# Altium PCB Mother_board_SSL2018.PcbDoc (part 1 of 2)
Units mm, origin at the board's own origin, x right, y up, seen from the top; angles counter-clockwise.
Board outline 169 x 150.57 mm, 2 copper layers (Top Layer, Bottom Layer), stack 1.57 mm thick; 100 components, 103 nets, 445 pads, 331 vias.
Unrouted connection lines stored in the file: 4.
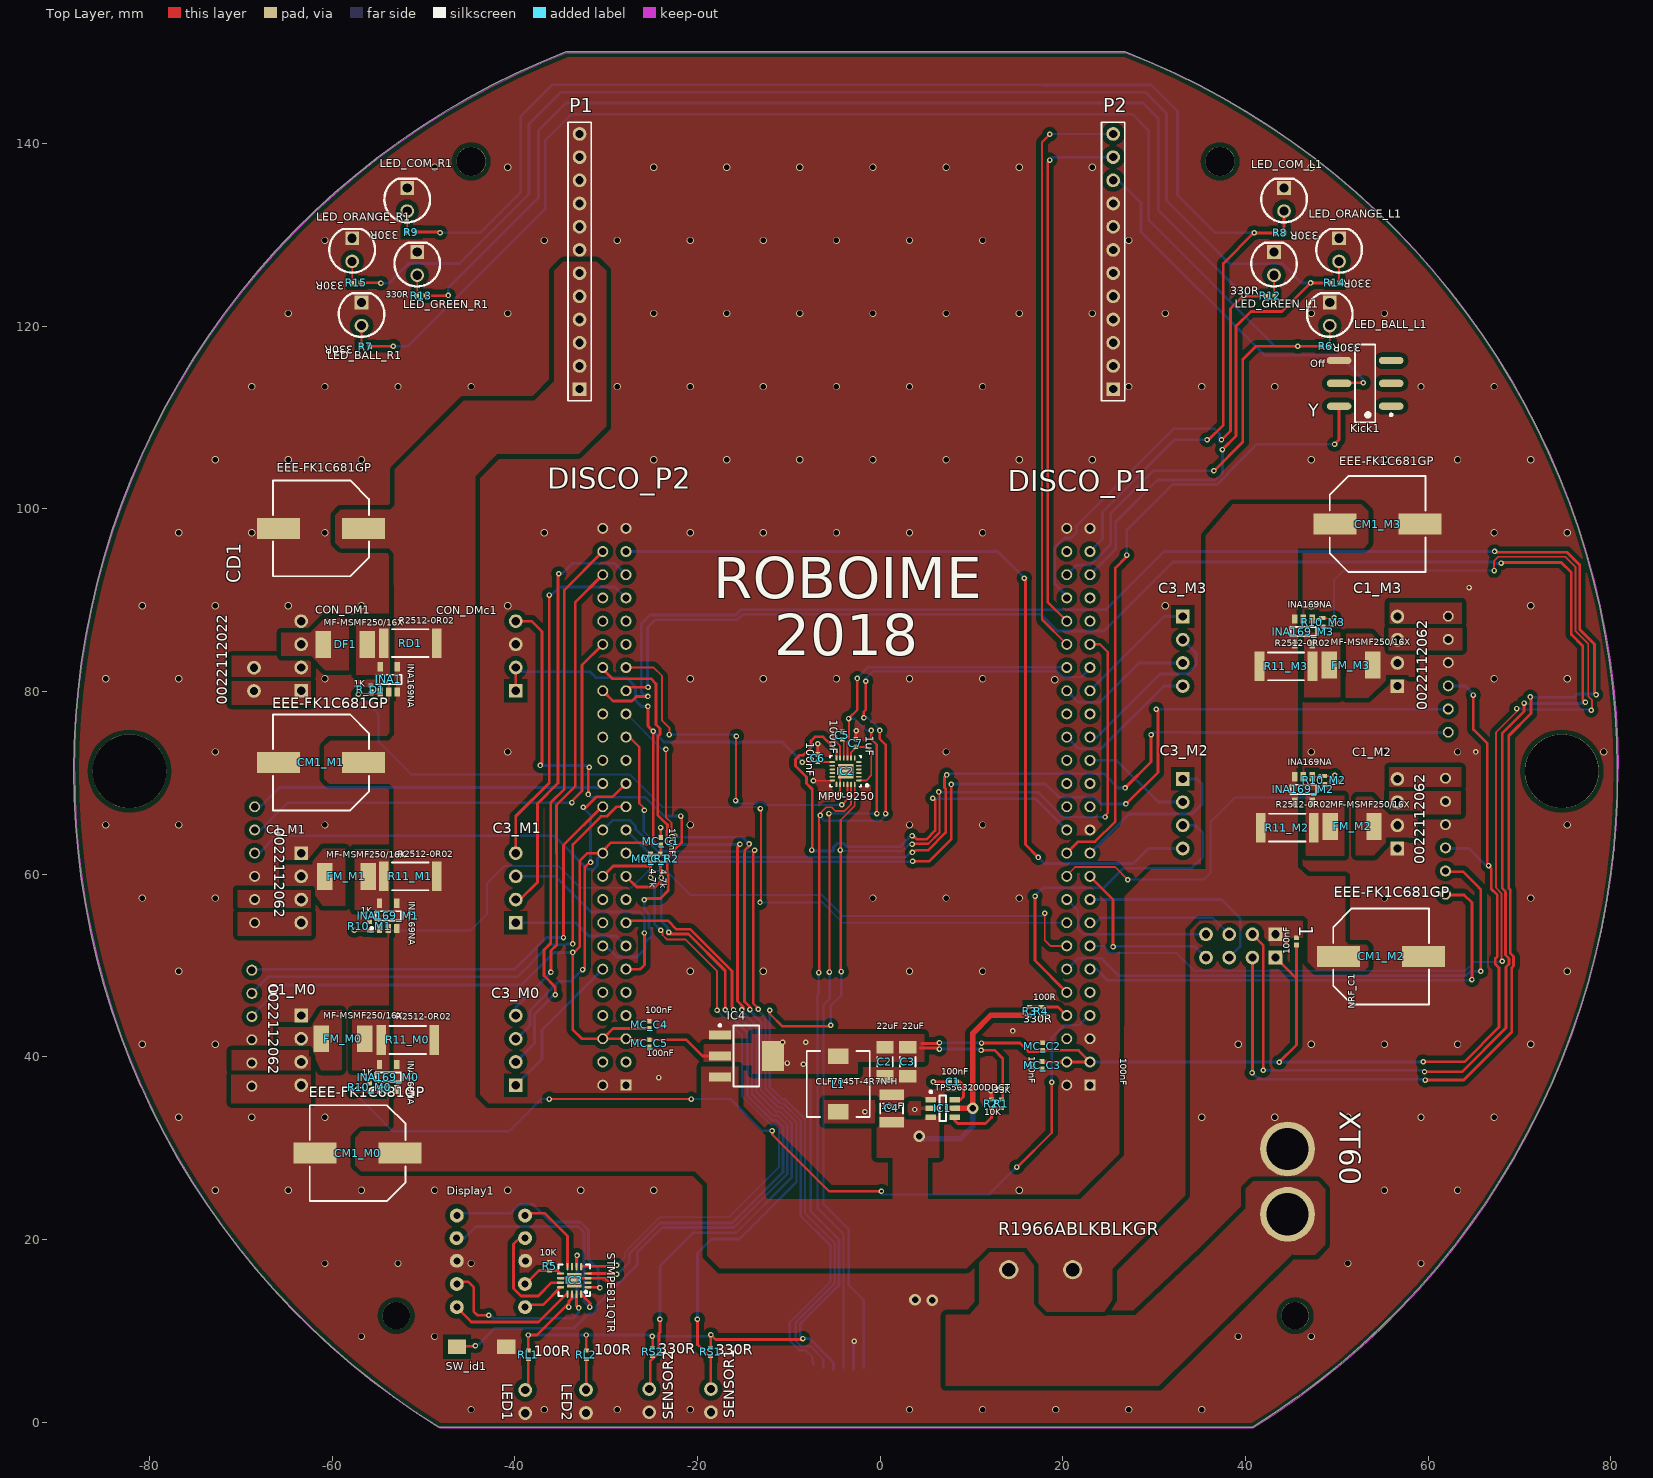
[diagram p0: Top Layer view]
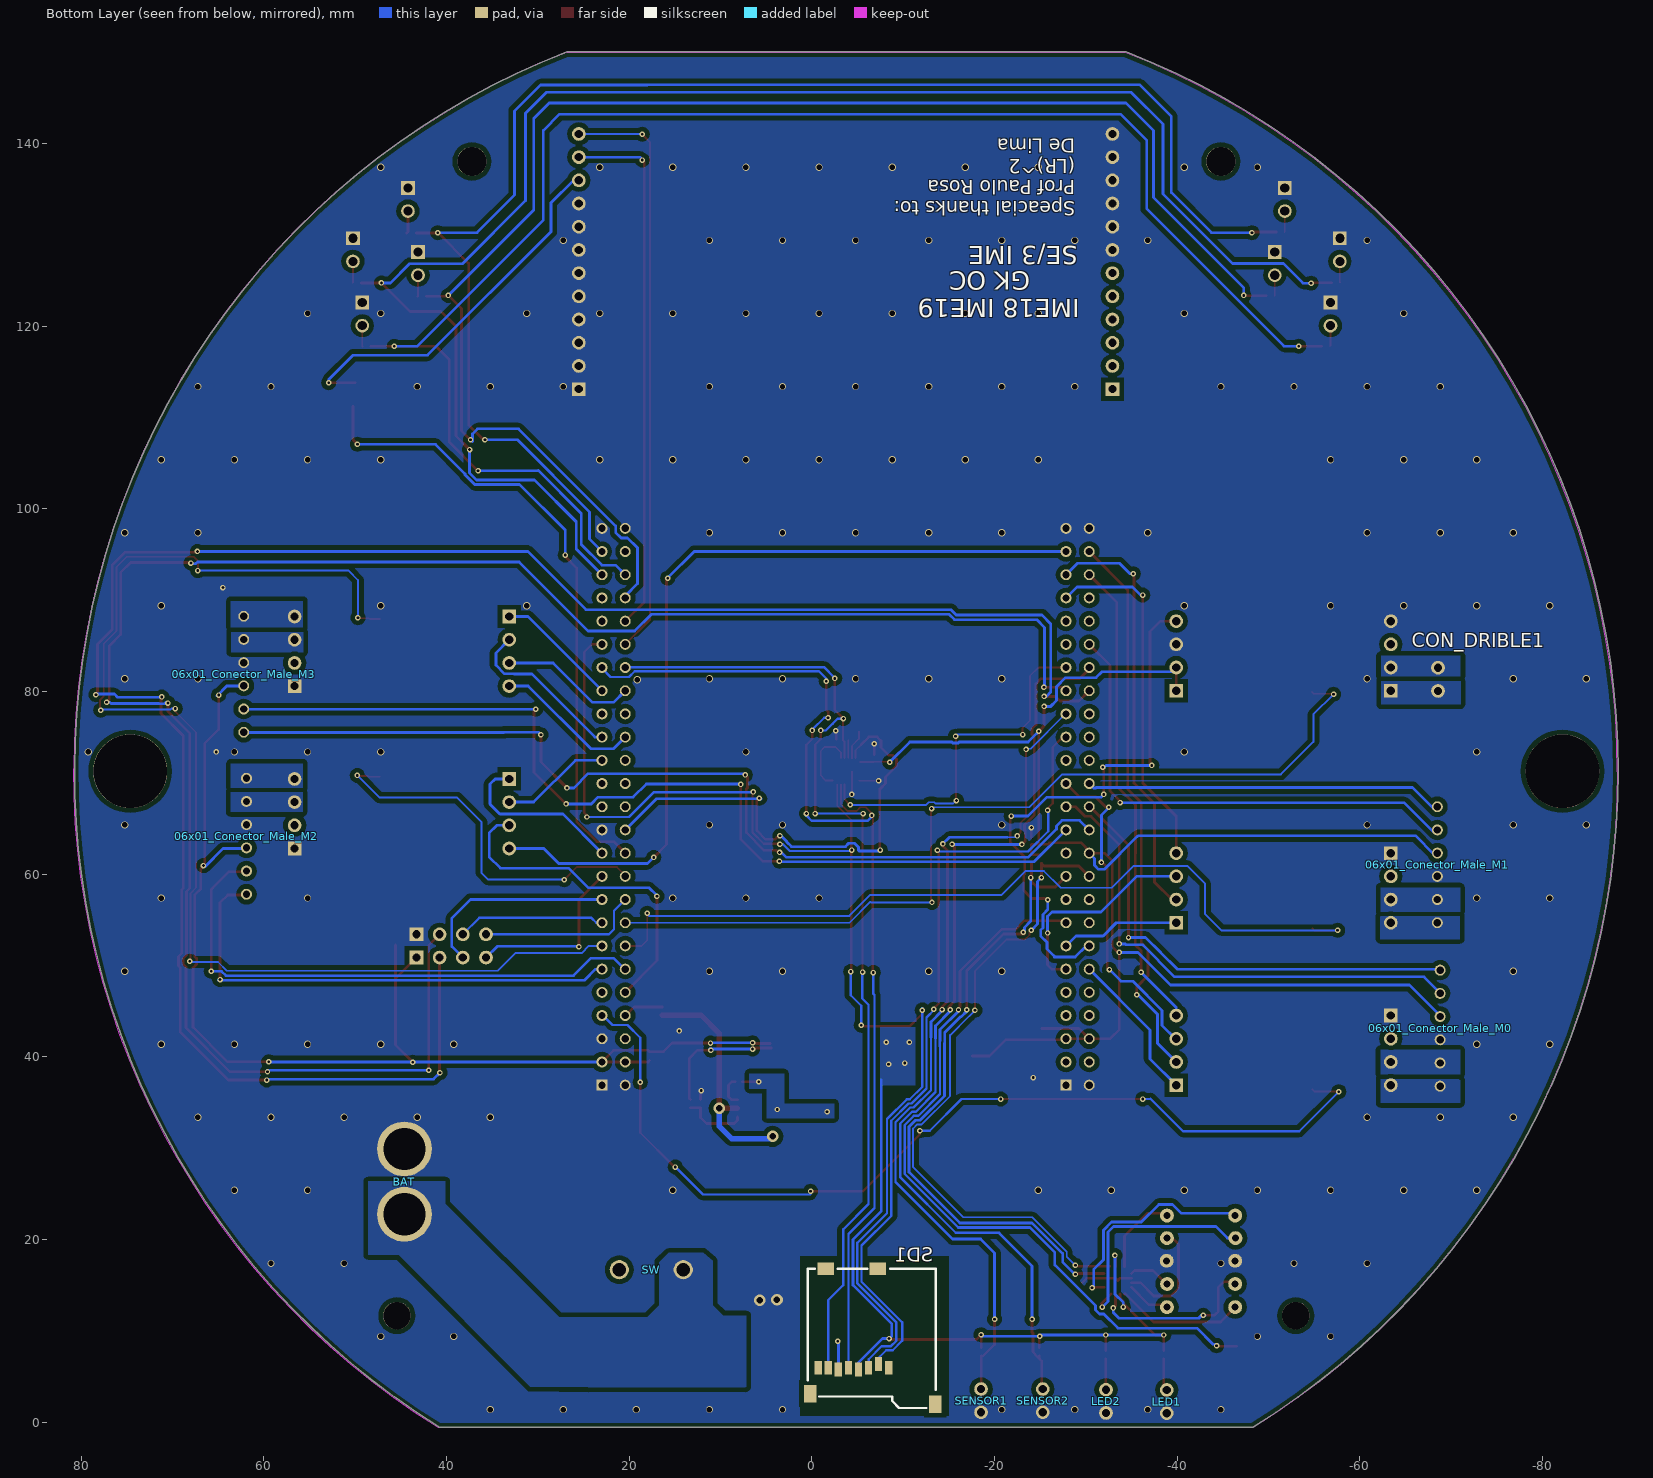
[diagram p1: Bottom Layer view, seen from below]
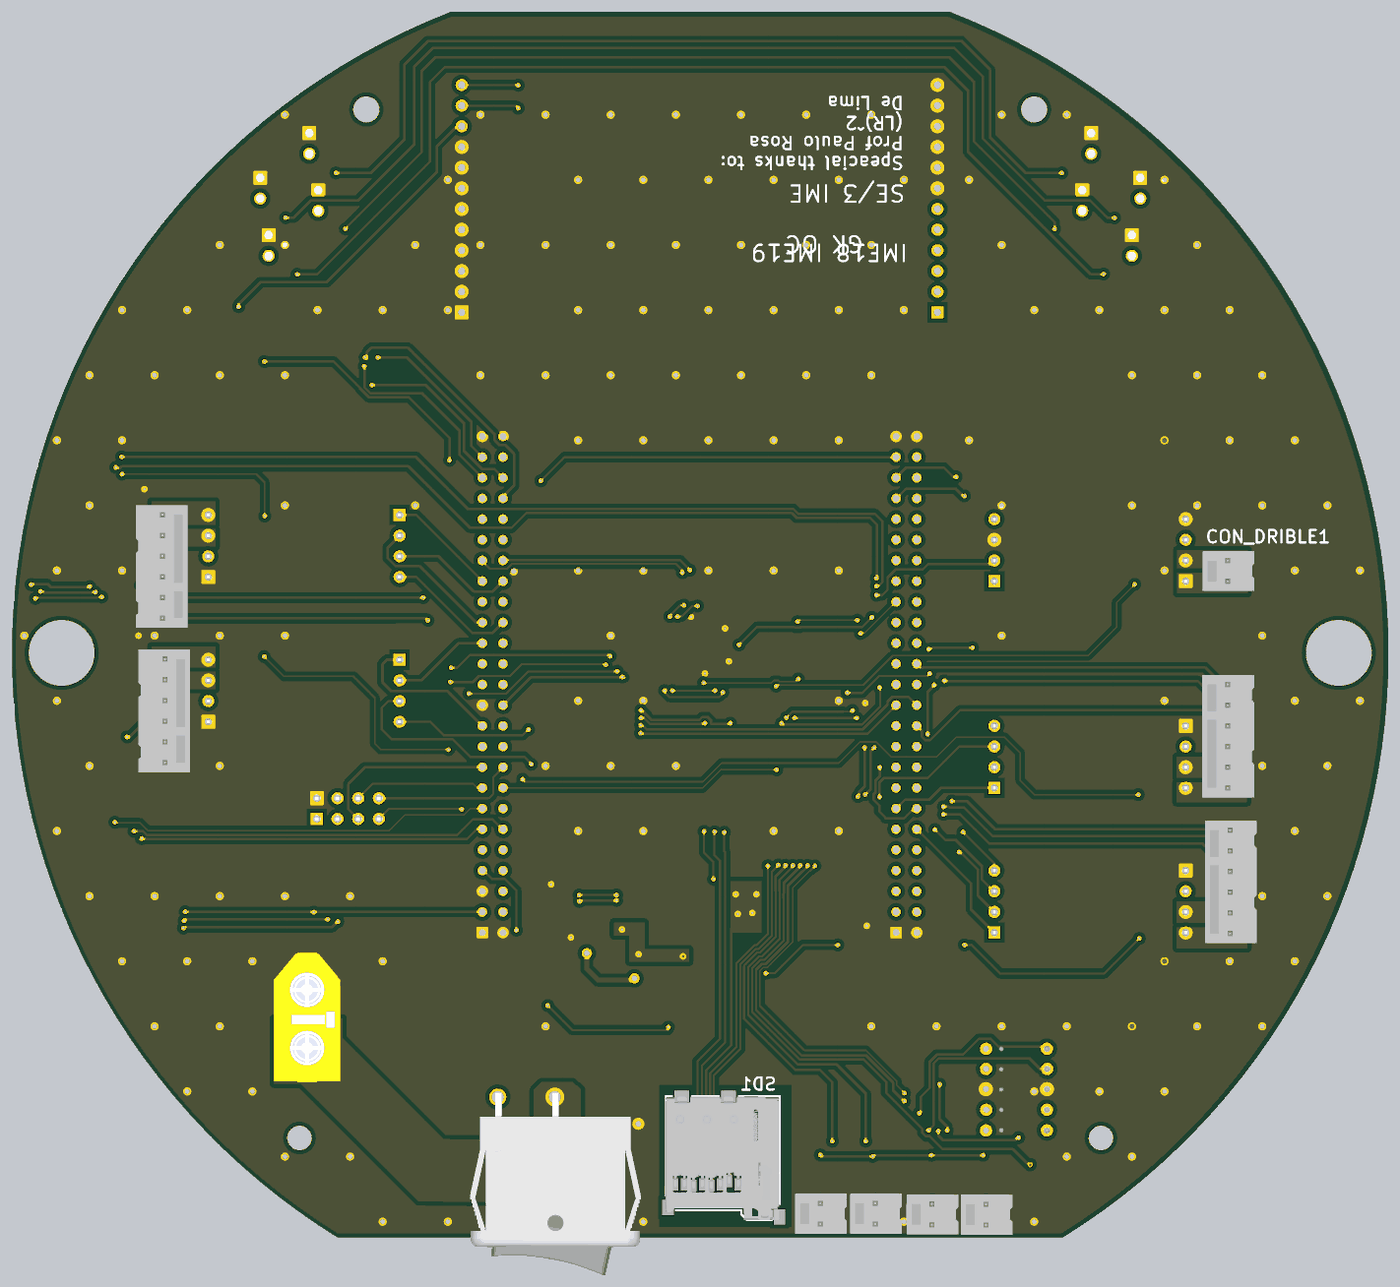
[diagram p3: 3D render of the assembled board from below, using the file's embedded part models]

## Layer stack, top to bottom
Top Solder: solder mask 0.01, Solder Resist, Dk 3.5
Top Layer: signal copper 0.035
Dielectric 1: dielectric 1.5, FR-4, Dk 4.8
Bottom Layer: signal copper 0.035
Bottom Solder: solder mask 0.01, Solder Resist, Dk 3.5

## Board outline
-34.378,150.025 -37.139,148.896 -39.858,147.67 -42.532,146.349 -45.158,144.934 -47.732,143.428 -50.252,141.831 -52.713,140.147 -55.114,138.377 -57.451,136.523 -59.721,134.588 -61.921,132.574 -64.049,130.484 -66.101,128.32 -68.076,126.084 -69.971,123.781 -71.783,121.412 -73.511,118.981 -75.152,116.49 -76.703,113.942 -78.164,111.342 -79.533,108.692 -80.806,105.995 -81.984,103.254 -83.065,100.474 -84.046,97.657 -84.928,94.808 -85.708,91.929 -86.387,89.025 -86.962,86.098 -87.434,83.153 -87.802,80.193 -88.065,77.222 -88.222,74.243 -88.275,71.261 -88.223,68.302 -88.068,65.347 -87.809,62.4 -87.447,59.463 -86.983,56.541 -86.417,53.636 -85.749,50.753 -84.98,47.896 -84.113,45.067 -83.146,42.27 -82.082,39.509 -80.923,36.787 -79.668,34.107 -78.321,31.472 -76.882,28.886 -75.354,26.353 -73.737,23.874 -72.035,21.454 -70.25,19.094 -68.382,16.799 -66.436,14.57 -64.412,12.411 -62.315,10.324 -60.145,8.312 -57.907,6.376 -55.602,4.521 -53.233,2.747 -50.804,1.058 -48.317,-0.546 40.767,-0.546 43.265,1.065 45.704,2.762 48.082,4.544 50.396,6.409 52.643,8.354 54.82,10.377 56.925,12.475 58.954,14.646 60.906,16.887 62.778,19.195 64.568,21.567 66.273,24.001 67.892,26.494 69.422,29.041 70.861,31.641 72.208,34.29 73.461,36.985 74.619,39.722 75.679,42.498 76.641,45.31 77.504,48.154 78.266,51.026 78.927,53.924 79.486,56.843 79.941,59.779 80.293,62.73 80.541,65.692 80.685,68.66 80.724,71.632 80.659,74.603 80.489,77.57 80.215,80.529 79.837,83.476 79.356,86.409 78.772,89.323 78.086,92.214 77.298,95.08 76.411,97.916 75.424,100.719 74.339,103.486 73.158,106.213 71.881,108.897 70.511,111.534 69.049,114.121 67.496,116.655 65.856,119.133 64.13,121.552 62.319,123.909 60.427,126.201 58.455,128.424 56.407,130.577 54.284,132.657 52.089,134.66 49.825,136.585 47.495,138.43 45.101,140.191 42.647,141.867 40.136,143.456 37.57,144.955 34.953,146.364 32.288,147.679 29.579,148.9 26.828,150.025

## Design rules (kind name [scope] priority, off if disabled: settings)
Clearance Clearance_1 [All] p1: gap=0.3 ignorepadtopadclearanceinfootprint=FALSE except(0: Arc-Hole Track-Hole SMDPad-Hole THPad-Hole Via-Hole Fill-Hole Poly-Hole Region-Hole Text-Hole; 0.15: SMDPad-SMDPad; 0.2: Track-Track Track-SMDPad; 0.5: Arc-Poly Track-Poly SMDPad-Poly THPad-Poly Via-Poly Fill-Poly Poly-Poly Poly-Region Poly-Text)
HoleSize [All] p1: absolutevalues=TRUE maxlimit=10 minlimit=0.025 maxpercent=80.000 minpercent=20.000
MinimumSolderMaskSliver [All] p1 off: minsoldermaskwidth=0.2
PlaneConnect [All] p1: planeconnectstyle=Direct reliefexpansion=0.508 reliefentries=4 reliefconductorwidth=0.254 reliefairgap=0.254
PolygonConnect "Schematic Polygon Connect Style_3" [InComponent('C3')] p1: connectstyle=Direct reliefconductorwidth=0.254 reliefentries=4 polygonreliefangle="45 Angle" airgapwidth=0.254
PolygonConnect PolygonConnect_3 [InNet('GND')] p2: connectstyle=Direct reliefconductorwidth=0.254 reliefentries=4 polygonreliefangle="90 Angle" airgapwidth=0.254
PolygonConnect PolygonConnect_1 [InNetClass('DIRECT')] p3: connectstyle=Direct reliefconductorwidth=0.508 reliefentries=4 polygonreliefangle="90 Angle" airgapwidth=0.254
PolygonConnect PolygonConnect_2 [IsVia] p4: connectstyle=Direct reliefconductorwidth=0.254 reliefentries=4 polygonreliefangle="90 Angle" airgapwidth=0.254
PolygonConnect "Schematic Polygon Connect Style_1" [InComponent('C2')] p5: connectstyle=Direct reliefconductorwidth=0.254 reliefentries=4 polygonreliefangle="45 Angle" airgapwidth=0.254
PolygonConnect "Schematic Polygon Connect Style_2" [InComponent('L1')] p6: connectstyle=Direct reliefconductorwidth=0.254 reliefentries=4 polygonreliefangle="45 Angle" airgapwidth=0.254
PolygonConnect [All] p7: connectstyle=Direct reliefconductorwidth=0.3 reliefentries=4 polygonreliefangle="90 Angle" airgapwidth=0.254
RoutingVias [All] p1: holewidth=0.7 width=1 viastyle="Through Hole" minholewidth=0.5 minwidth=0.7 maxholewidth=6 maxwidth=6
SilkToSilkClearance [All] p1 off: silktosilkclearance=0.254
SilkToSolderMaskClearance [IsPad] p1 off: minsilkscreentomaskgap=0.254 clearancetoexposedcopper=TRUE
SolderMaskExpansion [All] p1: expansion=0.102
Width [All] p1: maxlimit=1.016 minlimit=0.2 preferedwidth=0.3
25 further rules are at their usual default settings.

## Classes and differential pairs
component class MD: CD1 CON_DM1 CON_DMc1 CON_DRIBLE1 DF1 INA1 R_D1 RD1
component class Periféricos: 1 C5 C6 C7 Display1 IC2 IC3 Kick1 LED1 LED2 LED_BALL_L1 LED_BALL_R1 LED_COM_L1 LED_COM_R1 LED_GREEN_L1 LED_GREEN_R1 LED_ORAn_L LED_ORANGE_L1 LED_ORANGE_R1 NRF_C1 P1 P2 R5 R6 R7 R8 R9 R12 R13 R14 R15 RL1 RL2 RS1 RS2 SD1 SENSOR1 SENSOR2 SW_id1
component class POWER: BAT C1 C2 C3 C4 IC1 IC4 IC? L1 R1 R2 R3 R4 SW
net class DIRECT: DA DB MA_M0 MA_M1 MA_M2 MA_M3 MB_M0 MB_M1 MB_M2 MB_M3 NetC1_2 NetC1_M0_2 NetC1_M1_2 NetC1_M2_2 NetC1_M3_2 NetCON_DM1_1 NetDF1_2 NetFM_M0_2 NetFM_M1_2 NetFM_M2_2 NetFM_M3_2 VBAT
component class M0: 06x01_Conector_Male_M0 C1_M0 C3_M0 CM1_M0 FM_M0 INA169_M0 R10_M0 R11_M0
component class M1: 06x01_Conector_Male_M1 C1_M1 C3_M1 CM1_M1 FM_M1 INA169_M1 R10_M1 R11_M1
component class M2: 06x01_Conector_Male_M2 C1_M2 C3_M2 CM1_M2 FM_M2 INA169_M2 R10_M2 R11_M2
component class M3: 06x01_Conector_Male_M3 C1_M3 C3_M3 CM1_M3 FM_M3 INA169_M3 R10_M3 R11_M3
component class Mother_board_SSL2018: 4k7 CON_DM CON_DMc DISCO_P1 DISCO_P2 Kick? MC_C1 MC_C2 MC_C3 MC_C4 MC_C5 MC_R1 MC_R2
channel class MOTORES: M0 M1 M2 M3

## Components (designator, comment, footprint, x,y, rotation, side; value= is the part's Value field where it differs from the comment)
1 "PPPC042LFBN-RC" 04x02_Conector_Female 39.487,52.134 r0 top
06x01_Conector_Male_M0 "0022112062" 06x01_Conector_Male -68.655,43.13 r270 bottom (schematic designator 06x01_Conector_Male)
06x01_Conector_Male_M1 "0022112062" 06x01_Conector_Male -68.348,61.024 r270 bottom (schematic designator 06x01_Conector_Male)
06x01_Conector_Male_M2 "0022112062" 06x01_Conector_Male 61.773,64.145 r90 bottom (schematic designator 06x01_Conector_Male)
06x01_Conector_Male_M3 "0022112062" 06x01_Conector_Male 62.073,81.88 r90 bottom (schematic designator 06x01_Conector_Male)
BAT "XT60" BATTERY_CONECTO-PCB 44.61,26.33 r90 bottom
C1 "100nF" 0402-CAP 7.991,37.275 r180 top value=100n
C1_M0 "PPPC041LFBN-RC" 04x01_Conector_Female -63.383,40.704 r90 top (schematic designator C1)
C1_M1 "PPPC041LFBN-RC" 04x01_Conector_Female -63.383,58.484 r90 top (schematic designator C1)
C1_M2 "PPPC041LFBN-RC" 04x01_Conector_Female 56.632,66.612 r270 top (schematic designator C1)
C1_M3 "PPPC041LFBN-RC" 04x01_Conector_Female 56.632,84.392 r270 top (schematic designator C1)
C2 "22uF" 1206-CAP 0.534,39.458 r90 top value=22u
C3 "22uF" 1206-CAP 3.038,39.458 r90 top value=22u
C3_M0 "PPPC041LFBN-RC" 04x01_Conector_Female -39.888,40.704 r270 top (schematic designator C3)
C3_M1 "PPPC041LFBN-RC" 04x01_Conector_Female -39.888,58.484 r270 top (schematic designator C3)
C3_M2 "PPPC041LFBN-RC" 04x01_Conector_Female 33.137,66.612 r90 top (schematic designator C3)
C3_M3 "PPPC041LFBN-RC" 04x01_Conector_Female 33.137,84.392 r90 top (schematic designator C3)
C4 "10uF" 1210-CAP 1.26,34.354 r270 top value=10u
C5 "100nF" 0402-CAP -4.15,75.175 r90 top value=100n
C6 "100nF" 0402-CAP -6.825,72.7 r90 top value=100n
C7 "1uF" 0402-CAP -2.675,74.35 r90 top value=1u
CD1 "EEE-FK1C681GP" EEE-FK1C681GP -61.224,97.854 r180 top
CM1_M0 "EEE-FK1C681GP" EEE-FK1C681GP -57.2,29.45 r180 top (schematic designator CM1)
CM1_M1 "EEE-FK1C681GP" EEE-FK1C681GP -61.224,72.22 r180 top (schematic designator CM1)
CM1_M2 "EEE-FK1C681GP" EEE-FK1C681GP 54.854,50.991 r0 top (schematic designator CM1)
CM1_M3 "EEE-FK1C681GP" EEE-FK1C681GP 54.473,98.322 r0 top (schematic designator CM1)
CON_DM1 "PPPC041LFBN-RC" "04x01_Conector_Female - duplicate" -63.383,83.884 r270 top
CON_DMc1 "PPPC041LFBN-RC" "04x01_Conector_Female - duplicate" -39.888,83.884 r270 top
CON_DRIBLE1 "0022112022" 02x01_Conector_Male -68.55,81.325 r90 bottom
DF1 "MF-MSMF250/16X" RESC4632X16N -58.557,85.154 r0 top
DISCO_P1 "SFH11-PBPC-D25-ST-BK" 25x02_Conector_Female 21.707,67.374 r90 top locked
DISCO_P2 "SFH11-PBPC-D25-ST-BK" 25x02_Conector_Female -29.093,67.374 r90 top locked
Display1 "HDSP-F513" "New footprint 1"#1 -43.55,17.792 r0 top
FM_M0 "MF-MSMF250/16X" RESC4632X16N -58.811,41.974 r0 top (schematic designator FM)
FM_M1 "MF-MSMF250/16X" RESC4632X16N -58.43,59.754 r0 top (schematic designator FM)
FM_M2 "MF-MSMF250/16X" RESC4632X16N 51.679,65.215 r180 top (schematic designator FM)
FM_M3 "MF-MSMF250/16X" RESC4632X16N 51.552,82.868 r180 top (schematic designator FM)
IC1 "TPS563200DDCT" SOT95P280X110-6N 6.848,34.354 r0 top
IC2 "MPU-9250" MPU-9250 -3.775,71.261 r180 top
IC3 "STMPE811QTR" QFN16_N -33.485,15.517 r180 top
IC4 "LD1117S33CTR" SOT-223_N -14.636,40.083 r0 top
INA1 "INA169NA" SOT95P280X125-5N -53.797,81.322 r90 top
INA169_M0 "INA169NA" SOT95P280X125-5N -53.858,37.783 r90 top (schematic designator INA169)
INA169_M1 "INA169NA" SOT95P280X125-5N -53.858,55.436 r90 top (schematic designator INA169)
INA169_M2 "INA169NA" SOT95P280X125-5N 46.345,69.279 r270 top (schematic designator INA169)
INA169_M3 "INA169NA" SOT95P280X125-5N 46.345,86.551 r270 top (schematic designator INA169)
Kick1 "JS202011SCQN" SOP250P750X350-6N 53.1,113.725 r180 top
L1 "CLF7045T-4R7N-H" CLF7045T -4.582,37.019 r180 top
LED1 "0022112022" 02x01_Conector_Male -38.85,2.25 r90 bottom
LED2 "0022112022" 02x01_Conector_Male -32.2,2.275 r90 bottom
LED_BALL_L1 "LED" LED-5MM-PCB 49.225,121.312 r90 top
LED_BALL_R1 "LED" LED-5MM-PCB -56.775,121.312 r90 top
LED_COM_L1 "LED" LED-5MM-PCB 44.225,133.854 r90 top
LED_COM_R1 "LED" LED-5MM-PCB -51.775,133.854 r90 top
LED_GREEN_L1 "LED" LED-5MM-PCB 43.125,126.835 r90 top
LED_GREEN_R1 "LED" LED-5MM-PCB -50.675,126.835 r90 top
LED_ORANGE_L1 "LED" LED-5MM-PCB 50.25,128.35 r90 top
LED_ORANGE_R1 "LED" LED-5MM-PCB -57.8,128.35 r90 top
MC_C1 "100nF" 0402-CAP -24.013,63.604 r270 top value=100n
MC_C2 "100nF" 0402-CAP 17.769,41.125 r90 top value=100n
MC_C3 "100nF" 0402-CAP 17.735,39.075 r90 top value=100n
MC_C4 "100nF" 0402-CAP -25.283,43.498 r270 top value=100n
MC_C5 "100nF" 0402-CAP -25.283,41.466 r90 top value=100n
MC_R1 "4,7k" 0402 -25.138,61.679 r90 top value=4,7K
MC_R2 "4,7k" 0402 -24.05,61.7 r90 top value=4,7K
NRF_C1 "100nF" 0402-CAP 45.583,52.642 r90 top value=100n
P1 "Header 12" HDR1X12 -32.903,113.094 r90 top
P2 "Header 12" HDR1X12 25.517,113.094 r90 top
R1 "33K" 0402-RES-HD 13.286,34.862 r90 top
R2 "10K" 0402-RES-HD 12.182,34.862 r270 top
R3 "330R" 0402-RES-HD 16.373,44.986 r270 top value=330
R4 "100R" 0402-RES-HD 17.643,44.986 r90 top value=100
R5 "10K" 0402-RES-HD -36.175,17.05 r90 top
R6 "330R" 0402-RES-HD 48.8,117.775 r0 top value=330
R7 "330R" 0402-RES-HD -56.325,117.75 r180 top value=330
R8 "330R" 0402-RES-HD 43.8,130.2 r0 top value=330
R9 "330R" 0402-RES-HD -51.325,130.275 r180 top value=330
R10_M0 "1K" 0402-RES-HD -55.89,36.64 r270 top (schematic designator R10)
R10_M1 "1K" 0402-RES-HD -55.89,54.293 r270 top (schematic designator R10)
R10_M2 "1K" 0402-RES-HD 48.631,70.295 r90 top (schematic designator R10)
R10_M3 "1K" 0402-RES-HD 48.504,87.567 r90 top (schematic designator R10)
R11_M0 "R2512-0R02" 2512-RES-HD -51.699,41.847 r0 top value=0.02 (schematic designator R11)
R11_M1 "R2512-0R02" 2512-RES-HD -51.445,59.754 r0 top value=0.02 (schematic designator R11)
R11_M2 "R2512-0R02" 2512-RES-HD 44.567,65.088 r180 top value=0.02 (schematic designator R11)
R11_M3 "R2512-0R02" 2512-RES-HD 44.44,82.741 r180 top value=0.02 (schematic designator R11)